# Altium PCB circuit.PcbDoc
Units mm, origin at the board's own origin, x right, y up, seen from the top; angles counter-clockwise.
Board outline 68.85 x 95.08 mm, 2 copper layers (Top Layer, Bottom Layer); 36 components, 59 nets, 216 pads, 10 vias.
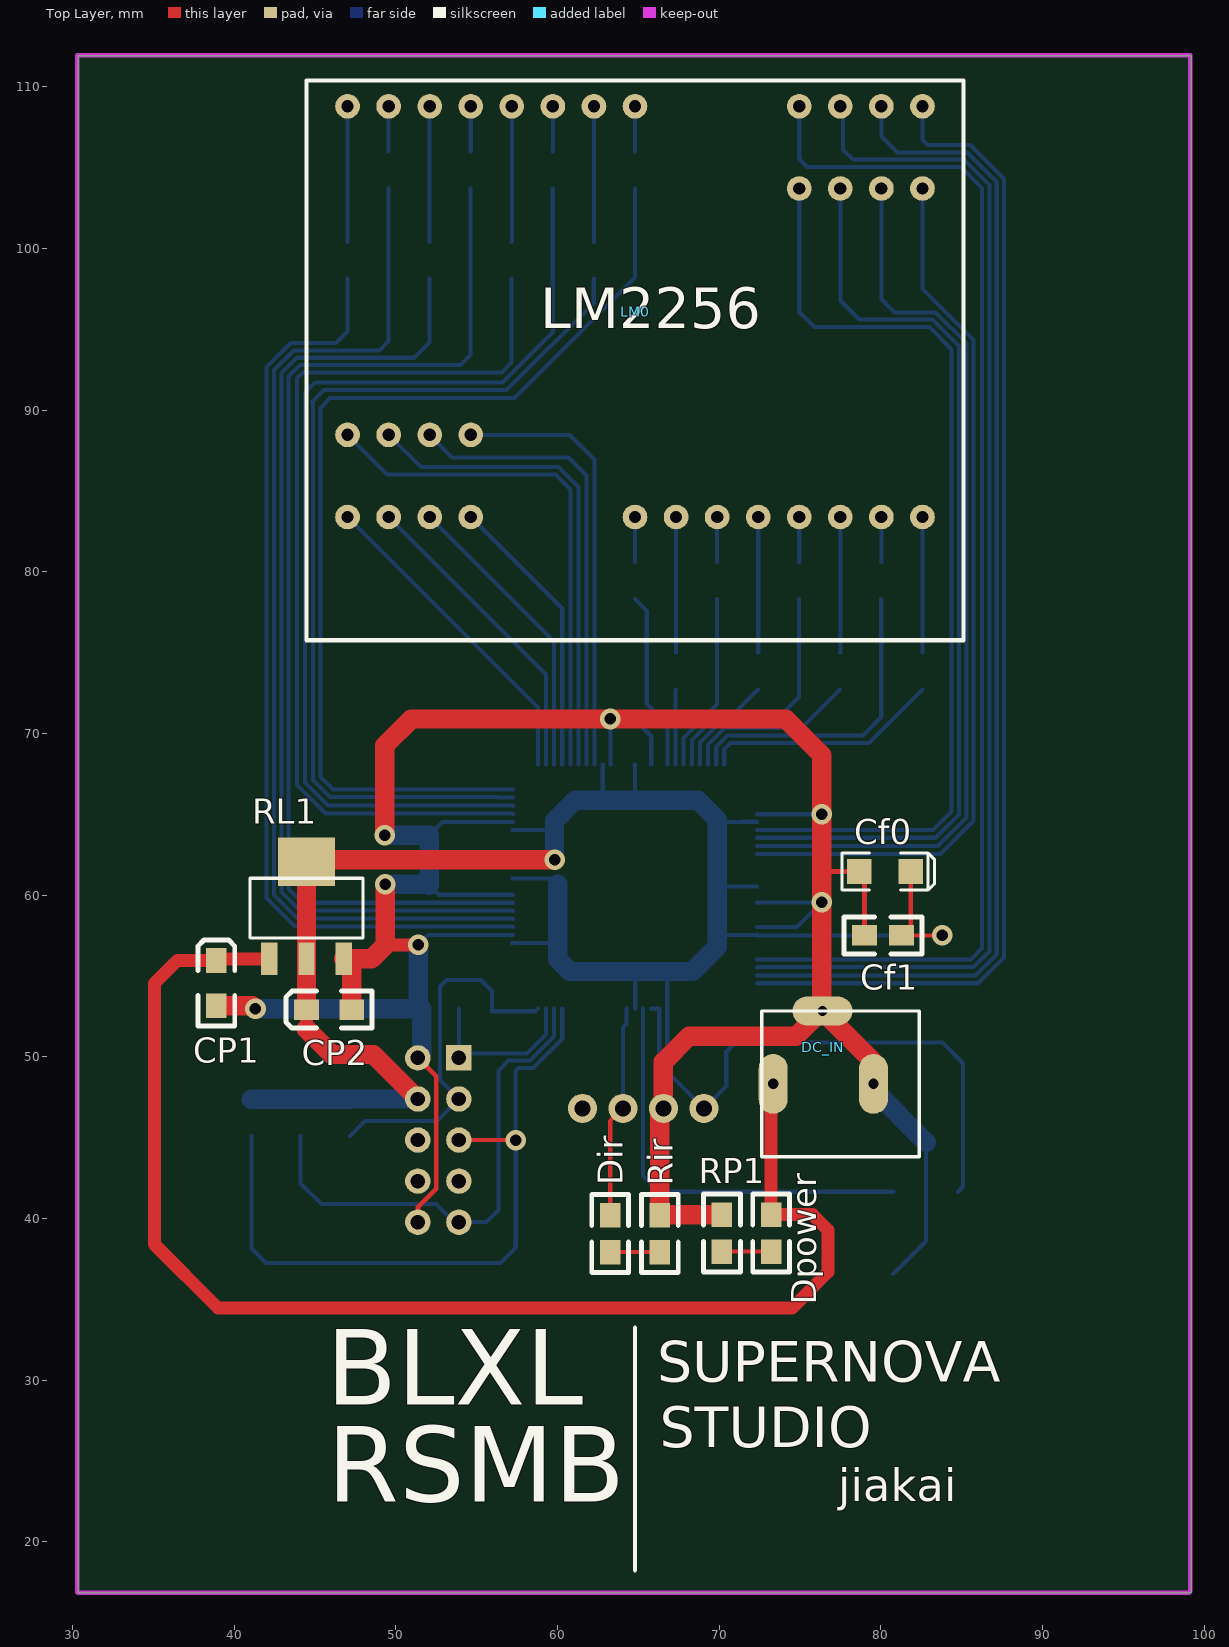
[diagram p0: Top Layer view]
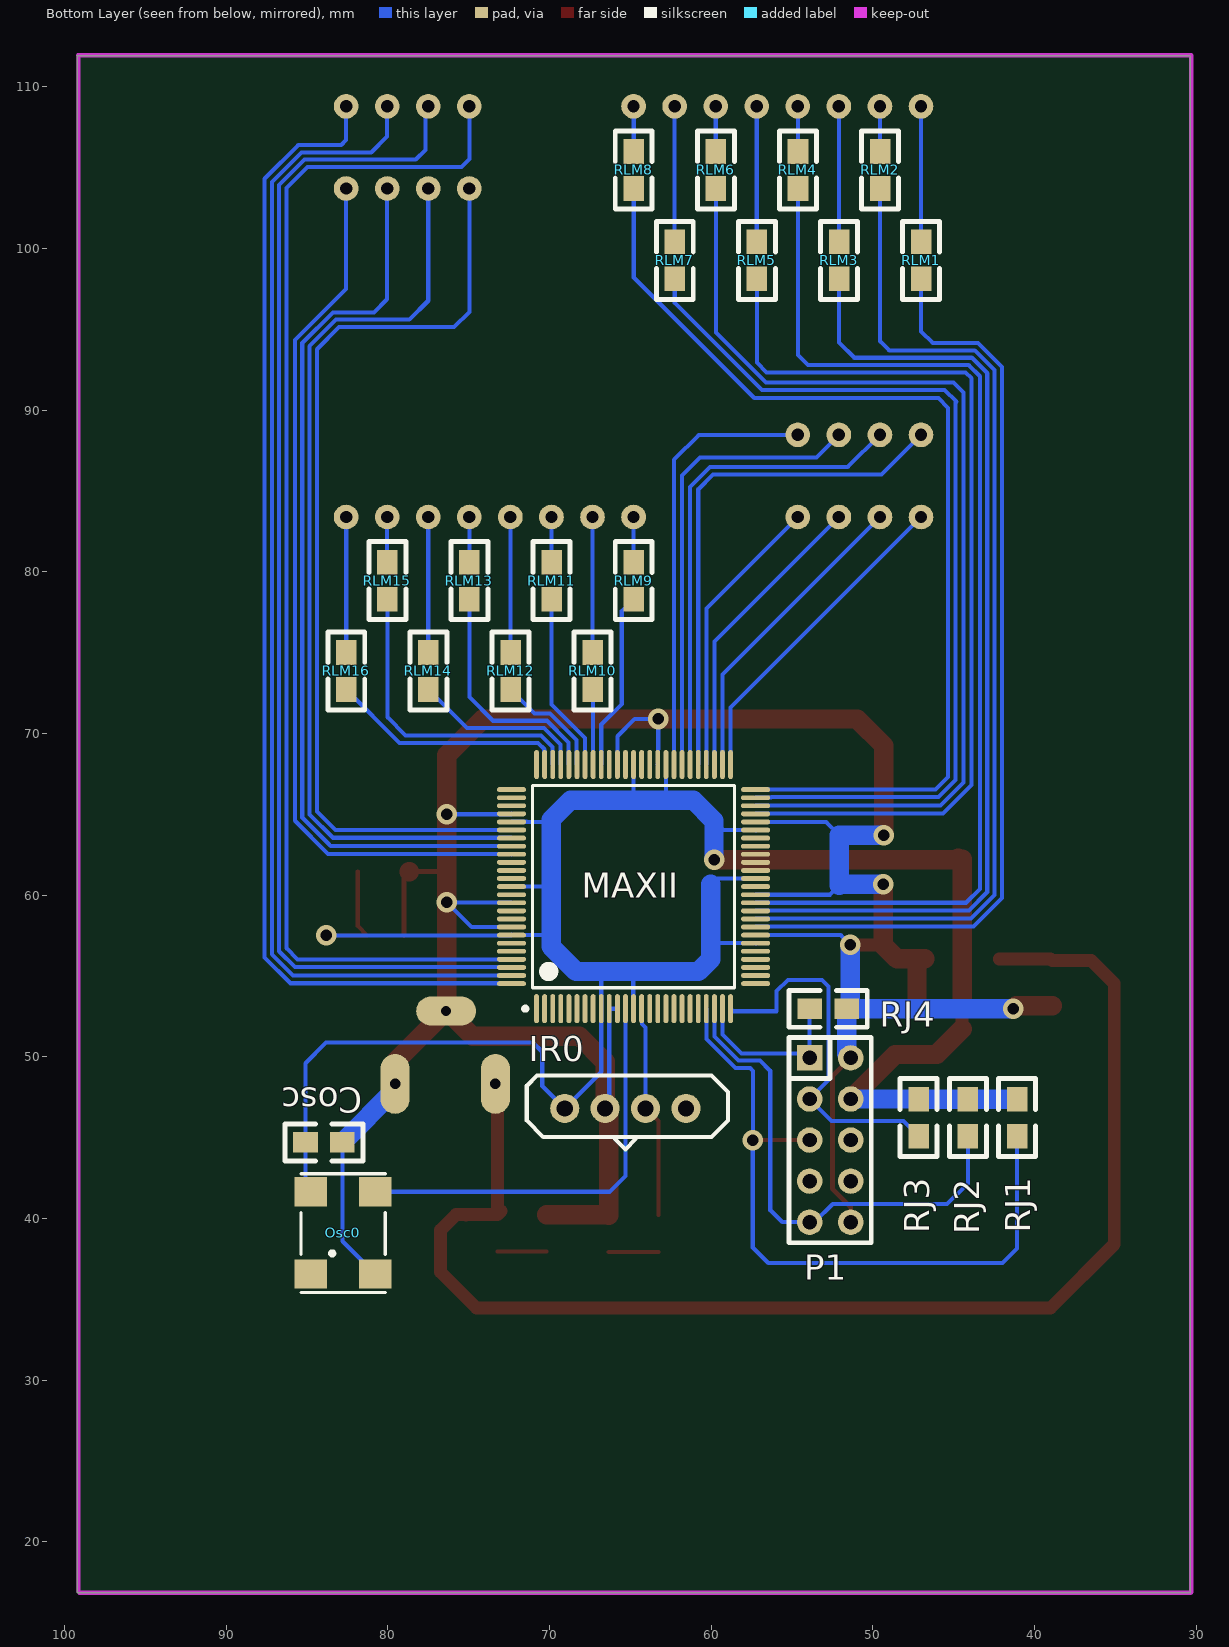
[diagram p1: Bottom Layer view, seen from below]

## Layer stack, top to bottom
Top Layer: signal copper 0.0356
Dielectric: core 0.32, FR-4, Dk 4.8
Bottom Layer: signal copper 0.0356

## Board outline
99.205,111.935 30.353,111.935 30.353,16.857 99.205,16.857

## Design rules (kind name [scope] priority, off if disabled: settings)
Clearance [All] p1: gap=0.2
PolygonConnect [All] p1: connectstyle=Relief reliefconductorwidth=0.254 reliefentries=4 polygonreliefangle="90 Angle"
RoutingVias [All] p1: holewidth=0.711 width=1.27 viastyle="Through Hole" minholewidth=0.711 minwidth=1.27 maxholewidth=0.711 maxwidth=1.27
SilkscreenOverComponentPads [All] p1: minsilkscreentomaskgap=0.2
SolderMaskExpansion [All] p1: expansion=0.102
Width width_power [(InNet('VCC33') OR InNet('VCCIN') OR InNet('GND'))] p1: maxlimit=1.2 minlimit=0.254 preferedwidth=0.8
Width [All] p2: maxlimit=0.254 minlimit=0.203 preferedwidth=0.254
27 further rules are at their usual default settings.

## Components (designator, comment, footprint, x,y, rotation, side; value= is the part's Value field where it differs from the comment)
Cf0 "47u" 3216C 80.264,61.468 r180 top (schematic designator Cfilter0)
Cf1 "0.1uF" 0805 81.28,57.506 r180 top (schematic designator Cfilter1)
Cosc "Cap" 0805 82.804,44.704 r0 bottom
CP1 "Tantalum" 3216 38.889,55.961 r90 top
CP2 "Tantalum" 3216 44.477,52.913 r180 top
DC_IN "DC input" DC_JACK 72.644,52.832 r0 top
Dir "LED0" 0805 63.273,40.213 r270 top
Dpower "LED0" 0805 73.232,40.246 r270 top
IR0 "IRSensor" IRSENSOR_4PIN 65.305,46.817 r180 bottom
LM0 "LM2256-LEDMat" LM2256 64.797,96.093 r0 top locked
MAXII "EPM570T100C5N" TQFP100_N 64.797,60.533 r90 bottom locked (schematic designator U1)
Osc0 "oscillator" osc1 80.772,36.576 r90 bottom
P1 "Header 5X2" IDC10 53.904,49.936 r270 bottom
Rir "1k" 0805 66.321,37.921 r90 top
RJ1 "10K" 0805 41.068,47.385 r270 bottom
RJ2 "10K" 0805 44.106,47.387 r270 bottom
RJ3 "10K" 0805 47.154,47.387 r270 bottom
RJ4 "10K" 0805 53.904,52.984 r180 bottom
RL1 "lm1117-3.3" SOT-223 44.477,62.057 r0 top
RLM1 "Res1" 0805 47.017,98.125 r90 bottom
RLM2 "Res1" 0805 49.557,103.713 r90 bottom
RLM3 "Res1" 0805 52.097,98.125 r90 bottom
RLM4 "Res1" 0805 54.637,103.713 r90 bottom
RLM5 "Res1" 0805 57.177,98.125 r90 bottom
RLM6 "Res1" 0805 59.717,103.713 r90 bottom
RLM7 "Res1" 0805 62.257,98.125 r90 bottom
RLM8 "Res1" 0805 64.797,103.713 r90 bottom
RLM9 "Res1" 0805 64.797,78.313 r90 bottom
RLM10 "Res1" 0805 67.337,72.725 r90 bottom
RLM11 "Res1" 0805 69.877,78.313 r90 bottom
RLM12 "Res1" 0805 72.417,72.725 r90 bottom
RLM13 "Res1" 0805 74.957,78.313 r90 bottom
RLM14 "Res1" 0805 77.497,72.725 r90 bottom
RLM15 "Res1" 0805 80.037,78.313 r90 bottom
RLM16 "Res1" 0805 82.577,72.725 r90 bottom
RP1 "1k" 0805 70.184,40.246 r270 top

## Footprints (in the part's own frame and the unit in brackets; to place one, negate y for a bottom-side part, rotate by r counter-clockwise, add the part's x,y. Pads: shape width x height; smd on the part's side, far side on the other; paste and mask are expansions set on the pad)
0805 [mil]
  rect 60x50 smd: 1(0.11,-0.39) 2(90.11,-0.39)
  silkscreen extent -50,-45 140,45
3216 [mil]
  rect 60x50 smd: 1(0.11,-0.39) 2(-109.89,-0.39)
  silkscreen extent -160,-45 50,45
3216C [mil]
  rect 60x60 smd: 1(-62.47,0.11) 2(62.53,0.11)
  silkscreen extent -120,-45 105,45
DC_JACK [mm]
  oval 1.8x3.7 hole 0.635: 1(0.7,-4.5) 2(6.9,-4.5)
  oval 3.7x1.8 hole 0.635: 3(3.748,0)
  silkscreen extent 0,-9 9.74,0
IDC10 [mil]
  rect 62x62 hole 35: 1(0,0)
  round 62 hole 35: 2(0,100) 3(100,0) 4(100,100) 5(200,0) 6(200,100) 7(300,0) 8(300,100) 9(400,0) 10(400,100)
  silkscreen extent -50,-50 450,150
IRSENSOR_4PIN [mm]
  round 1.8 hole 1: 1(-3.75,0) 2(-1.25,0) 3(1.25,0) 4(3.75,0)
  Top Overlay keep-out lines w0.254: -6.096,0.635 -6.096,1.397 -5.461,2.032 5.334,2.032 6.35,1.016 6.35,-0.762 5.334,-1.778 -5.08,-1.778 -6.096,-0.762 -6.096,0.762
  silkscreen extent -6.1,-2.54 6.35,2.03
LM2256 [mil]
  round 60 hole 30: 1(-700,-500) 2(-600,-500) 3(-500,-500) 4(-400,-500) 5(0,-500) 6(100,-500) 7(200,-500) 8(300,-500) 9(400,-500) 10(500,-500) 11(600,-500) 12(700,-500) 13(-700,-300) 14(-600,-300) 15(-500,-300) 16(-400,-300) 17(400,300) 18(500,300) 19(600,300) 20(700,300) 21(-700,500) 22(-600,500) 23(-500,500) 24(-400,500) 25(-300,500) 26(-200,500) 27(-100,500) 28(0,500) 29(400,500) 30(500,500) 31(600,500) 32(700,500)
  Top Overlay keep-out lines w10: -800,-800 800,-800 800,563.07 -800,563.07 -800,-800
  silkscreen extent -800,-800 800,563
osc1 [mm]
  rect 1.8x2 smd: 1(0,4) 2(0,0) 3(5.08,0) 4(5.08,4)
  silkscreen extent -1.14,-0.61 6.2,4.6
SOT-223 [mm]
  rect 1x2 smd: 1(-2.3,-5.994) 2(0,-5.994) 3(2.3,-5.994)
  rect 3.5x3 smd: 2(0,0)
  silkscreen extent -3.5,-4.7 3.5,-1
TQFP100_N [mm] "Thin QFP, 100-Leads, Body 14x14mm, Pitch 0.5mm, IPC Medium Density"
  oval 1.8x0.3 smd: 1(-7.55,6) 2(-7.55,5.5) 3(-7.55,5) 4(-7.55,4.5) 5(-7.55,4) 6(-7.55,3.5) 7(-7.55,3) 8(-7.55,2.5) 9(-7.55,2) 10(-7.55,1.5) 11(-7.55,1) 12(-7.55,0.5) 13(-7.55,0) 14(-7.55,-0.5) 15(-7.55,-1) 16(-7.55,-1.5) 17(-7.55,-2) 18(-7.55,-2.5) 19(-7.55,-3) 20(-7.55,-3.5) 21(-7.55,-4) 22(-7.55,-4.5) 23(-7.55,-5) 24(-7.55,-5.5) 25(-7.55,-6) 51(7.55,-6) 52(7.55,-5.5) 53(7.55,-5) 54(7.55,-4.5) 55(7.55,-4) 56(7.55,-3.5) 57(7.55,-3) 58(7.55,-2.5) 59(7.55,-2) 60(7.55,-1.5) 61(7.55,-1) 62(7.55,-0.5) 63(7.55,0) 64(7.55,0.5) 65(7.55,1) 66(7.55,1.5) 67(7.55,2) 68(7.55,2.5) 69(7.55,3) 70(7.55,3.5) 71(7.55,4) 72(7.55,4.5) 73(7.55,5) 74(7.55,5.5) 75(7.55,6)
  oval 0.3x1.8 smd: 26(-6,-7.55) 27(-5.5,-7.55) 28(-5,-7.55) 29(-4.5,-7.55) 30(-4,-7.55) 31(-3.5,-7.55) 32(-3,-7.55) 33(-2.5,-7.55) 34(-2,-7.55) 35(-1.5,-7.55) 36(-1,-7.55) 37(-0.5,-7.55) 38(0,-7.55) 39(0.5,-7.55) 40(1,-7.55) 41(1.5,-7.55) 42(2,-7.55) 43(2.5,-7.55) 44(3,-7.55) 45(3.5,-7.55) 46(4,-7.55) 47(4.5,-7.55) 48(5,-7.55) 49(5.5,-7.55) 50(6,-7.55) 76(6,7.55) 77(5.5,7.55) 78(5,7.55) 79(4.5,7.55) 80(4,7.55) 81(3.5,7.55) 82(3,7.55) 83(2.5,7.55) 84(2,7.55) 85(1.5,7.55) 86(1,7.55) 87(0.5,7.55) 88(0,7.55) 89(-0.5,7.55) 90(-1,7.55) 91(-1.5,7.55) 92(-2,7.55) 93(-2.5,7.55) 94(-3,7.55) 95(-3.5,7.55) 96(-4,7.55) 97(-4.5,7.55) 98(-5,7.55) 99(-5.5,7.55) 100(-6,7.55)
  silkscreen extent -7.67,-6.25 6.25,6.83, body extent -7,-7 7,7, height 1.2

## Part data
Cf0: library part "CAPACITOR POL", "Capacitor"
Cf1: library part CAP, "Capacitor"
Cosc: "Capacitor"
CP1 CP2: library part "Cap Pol3", "Polarized Capacitor (Surface Mount)"
DC_IN: library part "CONN JACK PWR"
Dir Dpower: "Typical INFRARED GaAs LED"
MAXII: "MAX II 3.3/2.5V CPLD, 76 IOs, 570 Logic Elements, 100-Pin Plastic TQFP, Commercial Temperature, Speed Grade 5, Pb-Free"
P1: "Header, 5-Pin, Dual row"
Rir RP1: library part Res1
RJ1 RJ2 RJ3 RJ4: library part Res2
RL1: library part lm1117
RLM1 RLM2 RLM3 RLM4 RLM5 RLM6 RLM7 RLM8 RLM9 RLM10 RLM11 RLM12 RLM13 RLM14 RLM15 RLM16: "Resistor"

## Free pads (board coordinates)
  shape0 0x0 on Bottom Overlay paste+0 mask+0: 1(49.342,57.093)

## Via types
v1: diameter 1.27, hole 0.711, Top Layer to Bottom Layer, 10 vias

## Nets (pads, with @x,y where several pads share a name; then routed paths per layer and width w, separated by ;. In a path a pad name is that pad's centre, name@x,y a point inside that pad or via, vN(x,y) a via of type N, cw(c..) or ccw(c..) an arc to the next point about the centre after c; other vN are vias at no path point)
CPLD_CLOCK: MAXII.12 Osc0.3 | length 26.2
  Bottom Layer w0.254: MAXII.12 65.297,42.635 66.276,41.656 Osc0.3
CPLD_CYCLE_CNT: Dir.1 IR0.3 MAXII.14 | length 13.2
  Top Layer w0.254: Dir.1 63.263,46.025 IR0.3
  Bottom Layer w0.254: IR0.3 64.055,51.816 64.274,52.035 64.274,52.96 MAXII.14
GND: Cf0.2 Cf1.2 Cosc.1 CP1.2 CP2.2 DC_IN.2 DC_IN.3 IR0.2 MAXII.10 MAXII.11 MAXII.32 MAXII.37 MAXII.46 MAXII.60 MAXII.65 MAXII.79 MAXII.90 MAXII.93 Osc0.2 P1.2 P1.10 Rir.2 RJ4.2 RL1.3 RP1.1 | length 196.6
  Top Layer w0.3: RL1.3 RL1.3@47.268,55.571 ; P1.10 51.364,40.708 52.501,41.845 52.501,48.799 P1.2 ; 76.348,61.457 78.668,61.457 78.991,61.134 Cf1.2
  Top Layer w0.8: v1@41.128,53.17 v1(41.323,52.975) ; 49.36,56.928 v1(51.383,56.928)
  Top Layer w1.2: CP1.2 v1@41.128,53.17 ; RL1.3 48.495,56.063 49.36,56.928 v1(49.36,60.688) ; CP2.2 RL1.3@47.268,55.571 ; v1(49.32,63.72) 49.32,69.253 50.968,70.9 63.26,70.9 74.119,70.901 76.348,68.672 v1(76.348,64.998) 76.348,61.457 ; RP1.1 66.364,40.243 Rir.2 66.331,46.593 IR0.2 66.555,49.687 68.147,51.28 74.751,51.28 DC_IN.3@76.348,52.877 ; 76.355,61.465 76.348,61.457 ; Cf0.2@78.668,61.457 Cf0.2 ; DC_IN.2 79.544,49.68 DC_IN.3 DC_IN.3@76.348,52.877 ; DC_IN.3@76.348,52.877 v1(76.348,59.57) 76.348,61.457
  Bottom Layer w0.26: RJ4.2@51.383,53.207 RJ4.2 ; v1(51.383,56.928) 51.988,57.533 MAXII.32 ; 51.992,60.688 52.07,60.61 52.647,60.033 MAXII.37 ; 52.07,63.72 52.883,64.533 MAXII.46 ; MAXII.60 63.277,68.103 63.277,69.032 63.275,69.034 v1@63.275,70.901 ; MAXII.11 MAXII.10 66.297,47.075 IR0.2 ; MAXII.65 65.797,69.833 64.729,70.901 v1@63.275,70.901 ; MAXII.93 74.81,58.033 v1@76.331,59.553 ; MAXII.90 72.367,59.553 v1@76.331,59.553 ; MAXII.79 72.367,65.013 76.332,65.013 v1(76.348,64.998) ; v1(76.348,59.57) v1@76.331,59.553 ; Osc0.2 82.795,38.599 82.795,44.702 Cosc.1 ; v1@63.275,70.901 63.275,70.915 v1(63.26,70.901) v1@63.275,70.901
  Bottom Layer w0.8: P1.2 P1.2@51.615,50.188
  Bottom Layer w1.2: v1(41.323,52.975) RJ4.2 P1.2@51.615,50.188 ; v1(49.32,63.72) 52.07,63.72 52.07,60.61 ; v1(49.36,60.688) 51.992,60.688 ; RJ4.2@51.383,53.207 v1(51.383,56.928) ; DC_IN.2 79.544,47.976 Cosc.1
JTAG_TCK: MAXII.24 P1.1 RJ4.1 | length 10.6
  Bottom Layer w0.254: RJ4.1 53.904,52.972 P1.1 54.188,50.22 58.125,50.22 59.297,51.392 MAXII.24
JTAG_TDI: MAXII.23 P1.9 RJ2.2 | length 31.1
  Bottom Layer w0.254: RJ2.2 44.116,42.179 45.404,40.891 52.478,40.891 53.593,39.776 P1.9 55.601,39.776 56.343,40.518 56.343,49.14 56.968,49.766 58.313,49.766 59.797,51.25 MAXII.23
JTAG_TDO: MAXII.25 P1.3 RJ3.2 | length 23
  Bottom Layer w0.254: RJ3.2 48.108,46.043 52.55,46.043 P1.3 52.735,48.566 52.735,54.345 53.15,54.76 55.255,54.76 55.945,54.07 55.945,52.825 58.639,52.825 MAXII.25
JTAG_TMS: MAXII.22 P1.5 RJ1.2 | length 44.1
  Top Layer w0.254: P1.5 v1(57.424,44.856)
  Bottom Layer w0.254: RJ1.2 41.078,38.145 41.98,37.243 56.466,37.243 57.424,38.201 v1(57.424,44.856) 57.403,44.878 57.403,49.132 57.582,49.312 58.501,49.312 60.297,51.108 MAXII.22
LMP1: LM0.1 MAXII.51 | length 20.2
  Bottom Layer w0.254: LM0.1 58.797,71.613 MAXII.51
LMP2: LM0.2 MAXII.52 | length 19.3
  Bottom Layer w0.254: LM0.2 59.297,73.653 MAXII.52
LMP3: LM0.3 MAXII.53 | length 18.5
  Bottom Layer w0.254: LM0.3 59.797,75.693 MAXII.53
LMP4: LM0.4 MAXII.54 | length 17.7
  Bottom Layer w0.254: LM0.4 60.297,77.733 MAXII.54
LMP5: MAXII.67 RLM9.1 | length 11.1
  Bottom Layer w0.254: RLM9.1 65.525,77.578 65.525,71.82 66.797,70.548 MAXII.67
LMP6: MAXII.68 RLM10.1 | length 4.7
  Bottom Layer w0.254: MAXII.68 67.297,72.698 RLM10.1
LMP7: MAXII.69 RLM11.1 | length 11.1
  Bottom Layer w0.254: MAXII.69 67.797,69.718 69.867,71.788 RLM11.1
LMP8: MAXII.70 RLM12.1 | length 6.9
  Bottom Layer w0.254: MAXII.70 68.32,68.106 68.32,69.599 69.966,71.244 70.924,71.244 RLM12.1
LMP9: MAXII.71 RLM13.1 | length 14.7
  Bottom Layer w0.254: MAXII.71 68.82,68.106 68.82,69.457 70.154,70.79 73.483,70.79 74.947,72.255 RLM13.1
LMP10: MAXII.72 RLM14.1 | length 10.8
  Bottom Layer w0.254: MAXII.72 69.32,68.106 69.32,69.315 70.342,70.336 75.096,70.336 RLM14.1
LMP11: MAXII.73 RLM15.1 | length 19.4
  Bottom Layer w0.254: MAXII.73 69.82,68.106 69.82,69.173 70.53,69.882 78.9,69.882 80.027,71.01 RLM15.1
LMP12: MAXII.74 RLM16.1 | length 14.7
  Bottom Layer w0.254: MAXII.74 70.32,68.106 70.32,69.031 70.714,69.425 79.264,69.425 RLM16.1
LMP13: LM0.13 MAXII.55 | length 32.2
  Bottom Layer w0.254: LM0.13 49.466,86.024 59.882,86.024 60.797,85.108 MAXII.55
LMP14: LM0.14 MAXII.56 | length 30.2
  Bottom Layer w0.254: LM0.14 51.553,86.478 60.07,86.478 61.297,85.251 MAXII.56
LMP15: LM0.15 MAXII.57 | length 28.6
  Bottom Layer w0.254: LM0.15 53.485,87.085 60.68,87.085 61.797,85.968 MAXII.57
LMP16: LM0.16 MAXII.58 | length 27.2
  Bottom Layer w0.254: LM0.16 60.762,88.473 62.297,86.938 MAXII.58
LMP17: LM0.17 MAXII.81 | length 59.1
  Bottom Layer w0.254: MAXII.81 83.226,64.033 84.383,65.19 84.383,93.77 83.007,95.145 75.892,95.145 74.957,96.081 LM0.17
LMP18: LM0.18 MAXII.82 | length 57.5
  Bottom Layer w0.254: MAXII.82 72.37,63.556 83.391,63.556 84.837,65.002 84.837,93.958 83.196,95.599 78.668,95.599 77.497,96.77 LM0.18
LMP19: LM0.19 MAXII.83 | length 56.3
  Bottom Layer w0.254: MAXII.83 83.529,63.033 83.598,63.102 83.598,63.121 85.29,64.814 85.29,94.146 83.384,96.053 80.844,96.053 80.037,96.86 LM0.19
LMP20: LM0.20 MAXII.84 | length 54.7
  Bottom Layer w0.254: MAXII.84 72.37,62.556 83.694,62.556 85.744,64.606 85.744,94.334 82.577,97.502 LM0.20
LMP21: MAXII.33 RLM1.1 | length 58
  Bottom Layer w0.254: RLM1.1 47.007,94.871 46.29,94.153 43.503,94.153 42.013,92.664 42.013,59.818 43.775,58.056 57.224,58.056 MAXII.33
LMP22: MAXII.34 RLM2.1 | length 65.1
  Bottom Layer w0.254: RLM2.1 49.547,94.267 48.98,93.7 43.691,93.7 42.467,92.476 42.467,60.006 43.917,58.556 57.224,58.556 MAXII.34
LMP23: MAXII.35 RLM3.1 | length 60.8
  Bottom Layer w0.254: RLM3.1 52.087,94.185 51.148,93.246 43.879,93.246 42.921,92.288 42.921,60.194 44.059,59.056 57.224,59.056 MAXII.35
LMP24: MAXII.36 RLM4.1 | length 68
  Bottom Layer w0.254: RLM4.1 54.627,93.405 54.014,92.792 44.067,92.792 43.375,92.1 43.375,60.383 44.224,59.533 MAXII.36
LMP25: MAXII.47 RLM5.1 | length 58.1
  Bottom Layer w0.254: RLM5.1 57.167,92.94 56.565,92.338 44.255,92.338 43.895,91.978 43.895,66.829 45.668,65.056 57.224,65.056 MAXII.47
LMP26: MAXII.48 RLM6.1 | length 63.3
  Bottom Layer w0.254: MAXII.48 57.224,65.556 45.81,65.556 44.382,66.983 44.382,91.096 44.996,91.71 56.61,91.71 59.707,94.807 RLM6.1
LMP27: MAXII.49 RLM7.1 | length 57.7
  Bottom Layer w0.254: MAXII.49 57.224,66.056 56.299,66.056 56.276,66.079 45.929,66.079 44.884,67.124 44.884,90.478 44.836,90.525 45.567,91.256 56.861,91.256 62.247,96.642 RLM7.1
LMP28: MAXII.50 RLM8.1 | length 63.4
  Bottom Layer w0.254: MAXII.50 46.117,66.533 45.338,67.312 45.338,90.142 45.938,90.743 57.333,90.743 64.787,98.197 RLM8.1
LMP29: LM0.29 MAXII.97 | length 76.5
  Bottom Layer w0.254: MAXII.97 85.573,56.033 86.262,56.723 86.262,103.75 84.97,105.043 75.45,105.043 74.957,105.535 LM0.29
LMP30: LM0.30 MAXII.98 | length 74.9
  Bottom Layer w0.254: MAXII.98 72.37,55.556 85.738,55.556 86.716,56.534 86.716,103.938 85.158,105.496 78.271,105.496 77.665,106.102 77.665,108.625 LM0.30
LMP31: LM0.31 MAXII.99 | length 73.3
  Bottom Layer w0.254: MAXII.99 85.857,55.033 87.17,56.346 87.17,104.126 85.346,105.95 81.022,105.95 80.037,106.936 LM0.31
LMP32: LM0.32 MAXII.100 | length 72.2
  Bottom Layer w0.254: MAXII.100 72.37,54.556 86.022,54.556 87.624,56.158 87.624,104.314 85.534,106.404 82.878,106.404 82.577,106.706 LM0.32
NetDir_2: Dir.2 Rir.1 | length 3.1
  Top Layer w0.254: Dir.2 Rir.1
NetDpower_2: Dpower.2 RP1.2 | length 3
  Top Layer w0.254: RP1.2 Dpower.2
NetLM0_5: LM0.5 RLM9.2 | length 2.8
  Bottom Layer w0.254: RLM9.2 64.797,80.612 LM0.5
NetLM0_6: LM0.6 RLM10.2 | length 8.4
  Bottom Layer w0.254: RLM10.2 67.337,75.024 LM0.6
NetLM0_7: LM0.7 RLM11.2 | length 2.8
  Bottom Layer w0.254: RLM11.2 69.877,80.612 LM0.7
NetLM0_8: LM0.8 RLM12.2 | length 8.4
  Bottom Layer w0.254: RLM12.2 72.417,75.024 LM0.8
NetLM0_9: LM0.9 RLM13.2 | length 2.8
  Bottom Layer w0.254: RLM13.2 74.957,80.612 LM0.9
NetLM0_10: LM0.10 RLM14.2 | length 8.4
  Bottom Layer w0.254: RLM14.2 77.497,75.024 LM0.10
NetLM0_11: LM0.11 RLM15.2 | length 2.8
  Bottom Layer w0.254: RLM15.2 80.037,80.612 LM0.11
NetLM0_12: LM0.12 RLM16.2 | length 8.4
  Bottom Layer w0.254: RLM16.2 82.567,83.383 LM0.12
NetLM0_21: LM0.21 RLM1.2 | length 8.4
  Bottom Layer w0.254: RLM1.2 47.007,108.783 LM0.21
NetLM0_22: LM0.22 RLM2.2 | length 2.8
  Bottom Layer w0.254: RLM2.2 49.557,106.012 LM0.22
NetLM0_23: LM0.23 RLM3.2 | length 8.4
  Bottom Layer w0.254: RLM3.2 52.097,100.424 LM0.23
NetLM0_24: LM0.24 RLM4.2 | length 2.8
  Bottom Layer w0.254: RLM4.2 54.637,106.012 LM0.24
NetLM0_25: LM0.25 RLM5.2 | length 8.4
  Bottom Layer w0.254: RLM5.2 57.177,100.424 LM0.25
NetLM0_26: LM0.26 RLM6.2 | length 2.8
  Bottom Layer w0.254: RLM6.2 59.717,106.012 LM0.26
NetLM0_27: LM0.27 RLM7.2 | length 8.4
  Bottom Layer w0.254: RLM7.2 62.257,100.424 LM0.27
NetLM0_28: LM0.28 RLM8.2 | length 2.8
  Bottom Layer w0.254: RLM8.2 64.787,108.783 LM0.28
VCC33: Cf0.1 Cf1.1 Cosc.2 CP2.1 IR0.1 MAXII.9 MAXII.13 MAXII.31 MAXII.39 MAXII.45 MAXII.59 MAXII.63 MAXII.80 MAXII.88 MAXII.94 Osc0.4 P1.4 RJ1.1 RJ2.1 RJ3.1 RL1.2 | length 160.5
  Top Layer w0.26: P1.4@51.361,47.394 P1.4 ; Cf0.1 81.851,58.089 Cf1.1 v1(83.799,57.516)
  Top Layer w0.8: 44.474,51.723 CP2.1 CP2.1@44.477,52.926
  Top Layer w1.2: 44.474,51.723 46.05,50.147 48.608,50.147 P1.4@51.361,47.394 ; CP2.1@44.477,52.926 44.477,56.063 RL1.2@44.477,62.057 ; RL1.2@44.477,62.242 RL1.2@44.477,62.057 ; RL1.2@44.705,62.285 RL1.2@44.612,62.192 ; v1(59.82,62.192) RL1.2@44.612,62.192 ; RL1.2@44.477,62.057 RL1.2@44.612,62.192
  Bottom Layer w0.26: MAXII.31@57.187,57.013 57.227,57.053 MAXII.31 57.267,57.053 60.009,57.053 ; MAXII.39@57.227,61.053 MAXII.39 ; MAXII.45@57.227,64.013 MAXII.45 59.253,64.033 59.82,64.6 ; MAXII.39@57.267,61.053 MAXII.39 ; 60.03,60.675 59.672,61.033 MAXII.39 ; 62.797,65.97 MAXII.59 ; MAXII.63@64.777,68.063 MAXII.63 64.797,65.905 ; MAXII.13 64.817,53.003 64.817,55.187 64.912,55.283 ; MAXII.9@66.793,52.987 MAXII.9 ; 66.797,55.278 MAXII.9 ; 69.924,57.533 MAXII.94 ; 69.945,60.533 MAXII.88 ; 70.03,64.533 MAXII.80 72.327,64.553 71.398,64.553 ; MAXII.94@72.327,57.553 MAXII.94 ; v1(83.799,57.516) 72.364,57.516 MAXII.94 ; Osc0.4 85.093,41.977 Cosc.2 85.093,49.607 83.812,50.888 71.015,50.888 70.445,50.317 70.445,48.207 IR0.1 66.797,49.075 MAXII.9
  Bottom Layer w0.8: RJ3.1 RJ3.1@47.176,47.396
  Bottom Layer w1.2: RJ1.1@41.068,47.385 RJ2.1 RJ3.1 ; RJ3.1@47.176,47.396 P1.4 ; v1(59.82,62.192) 59.82,64.6 61.092,65.872 68.69,65.872 69.895,64.667 69.895,56.83 68.348,55.283 64.912,55.283 60.782,55.283 60.03,56.035 60.03,60.675
VCCIN: CP1.1 DC_IN.1 Dpower.1 RL1.1 | length 83.1
  Top Layer w0.8: RL1.1 38.998,56.063 CP1.1 36.486,55.964 35.065,54.542 35.065,38.417 39.01,34.473 74.517,34.473 76.737,36.693 76.737,39.283 75.777,40.243 75.149,40.243 ; Dpower.1@72.987,40.478 Dpower.1 ; DC_IN.1 73.222,48.21 Dpower.1 ; 75.149,40.221 75.149,40.243 ; Dpower.1 75.149,40.243
pads on no net: IR0.4 MAXII.1 MAXII.2 MAXII.3 MAXII.4 MAXII.5 MAXII.6 MAXII.7 MAXII.8 MAXII.15 MAXII.16 MAXII.17 MAXII.18 MAXII.19 MAXII.20 MAXII.21 MAXII.26 MAXII.27 MAXII.28 MAXII.29 MAXII.30 MAXII.38 MAXII.40 MAXII.41 MAXII.42 MAXII.43 MAXII.44 MAXII.61 MAXII.62 MAXII.64 MAXII.66 MAXII.75 MAXII.76 MAXII.77 MAXII.78 MAXII.85 MAXII.86 MAXII.87 MAXII.89 MAXII.91 MAXII.92 MAXII.95 MAXII.96 Osc0.1 P1.6 P1.7 P1.8

## Keep-outs
Top Layer:
  lines w0.254: 99.062,16.857 99.14,16.935
Keep-Out Layer:
  lines w0.254: 99.062,16.857 30.333,16.857 30.3,16.89 30.3,111.952 99.152,111.952 99.14,111.94 99.14,16.935

## Silkscreen, mask and mechanical layers (free items; w line width, h text height)
Top Overlay:
  lines w0.254: 64.797,18.247 64.797,33.248
  text "SUPERNOVA" at 66.178,29.905 h2.5
  text "BLXL" at 45.685,26.938 h8
  text "STUDIO" at 66.322,25.865 h2.5
  text "jiakai" at 77.372,22.5 h2
  text "RSMB" at 45.748,20.937 h8

## Text inside footprints (layer, text, board x,y; h text height)
LM0: Top Overlay "LM2256" at 58.922,95.068 h2.5